# KiCad board motherboard-101.kicad_pcb (continued)
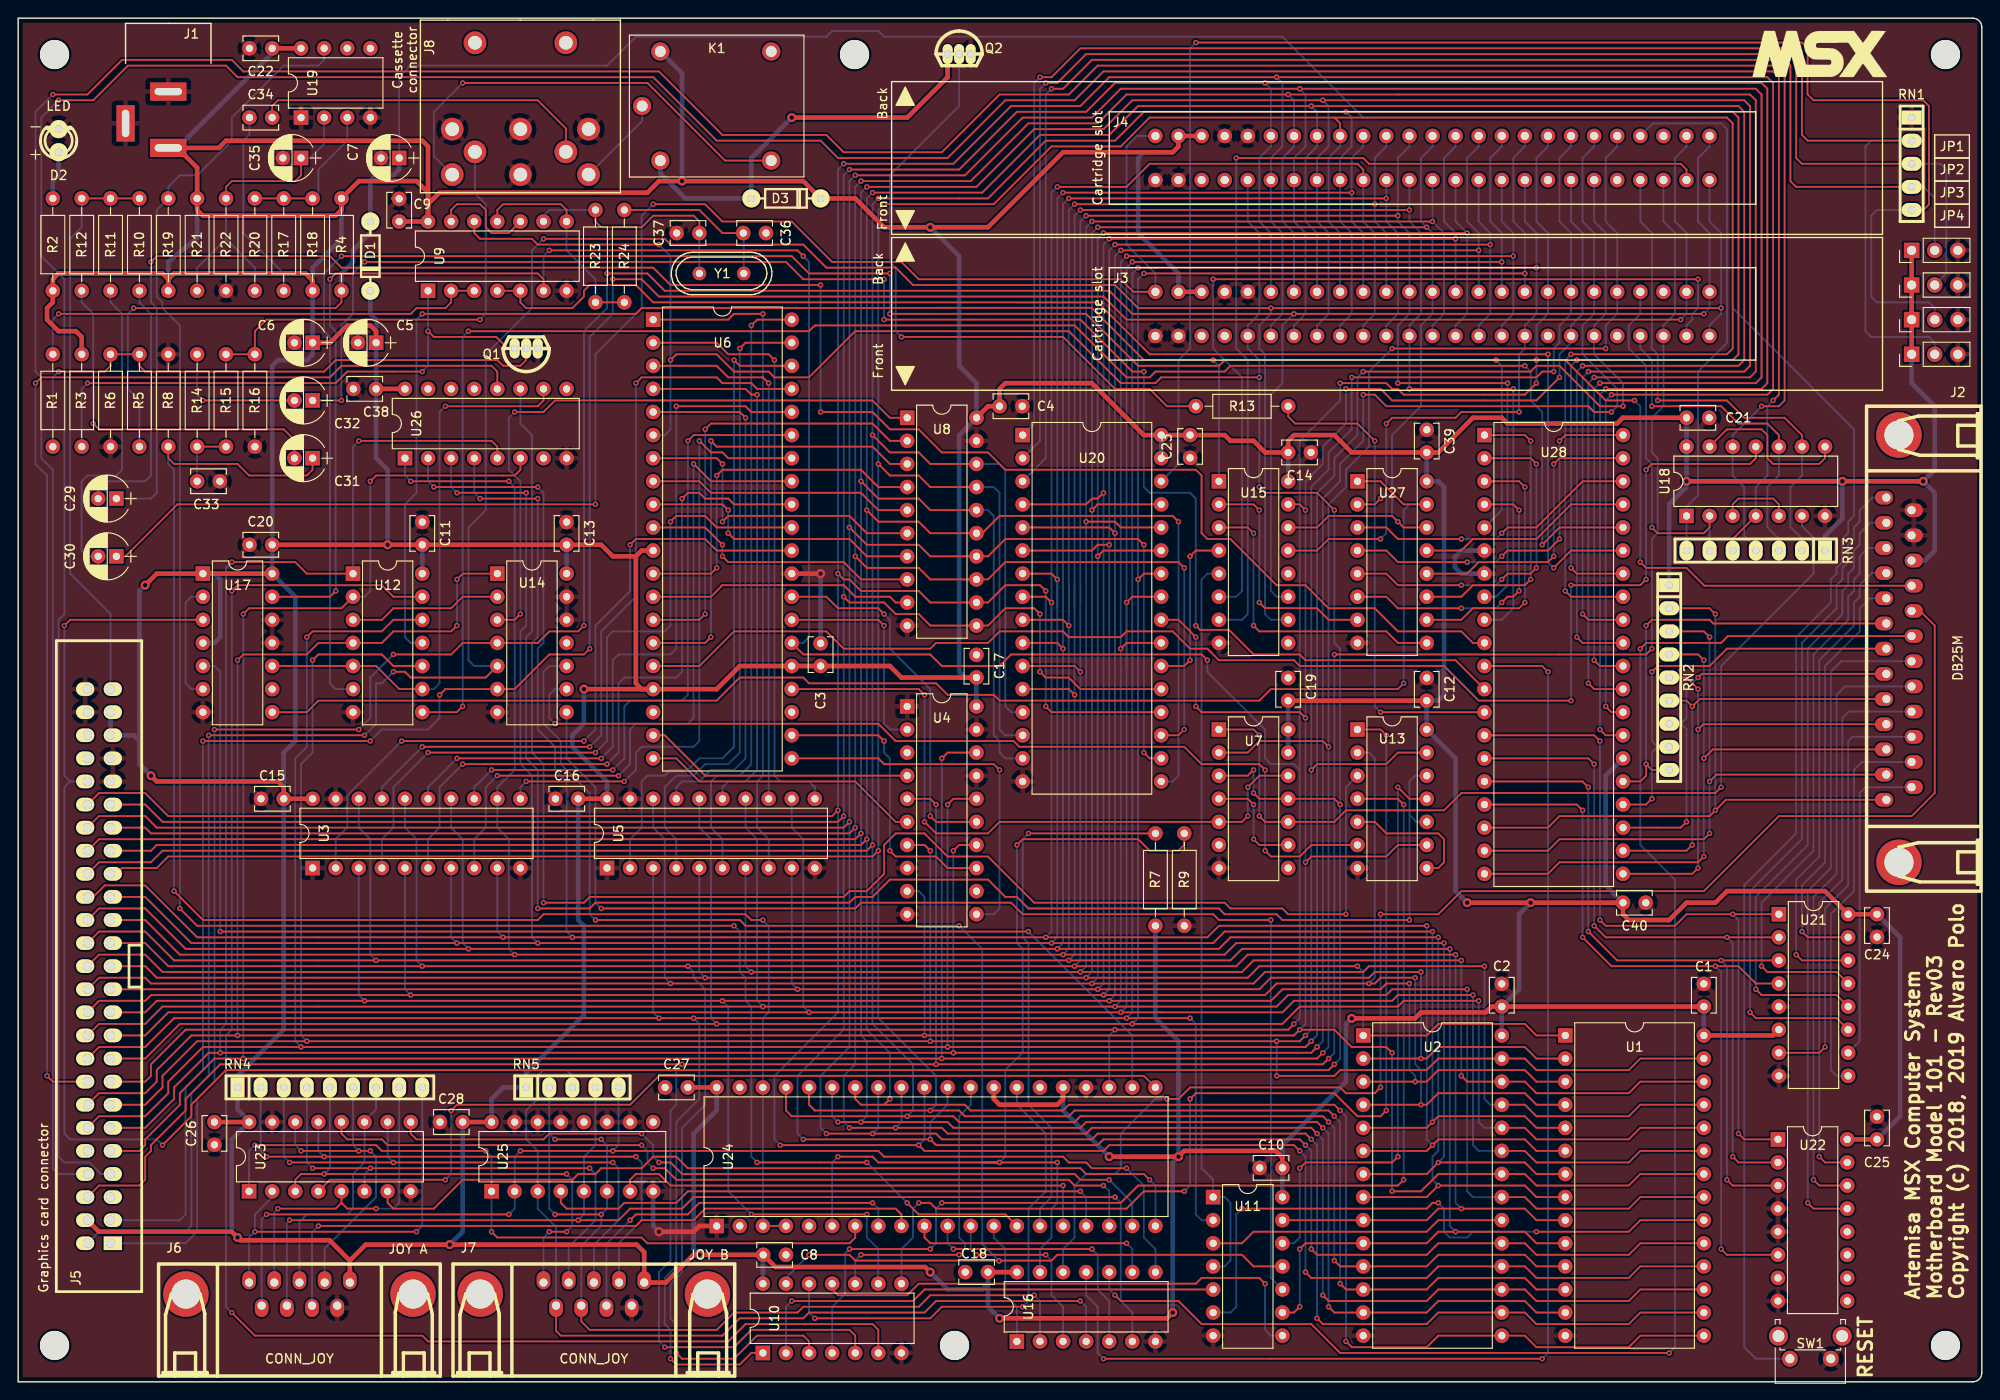
[diagram p0: board, top side]
## Nets (continued)
Net-(J8-Pad6): J8.6 K1.4
Net-(J8-Pad7): J8.7 K1.3
Net-(JP1-Pad2): JP1.2 RN1.4 U20.3
Net-(JP2-Pad2): JP2.2 RN1.3 U20.2
Net-(JP3-Pad2): JP3.2 RN1.5 U20.30
Net-(JP4-Pad2): JP4.2 RN1.2 U20.1
Net-(K1-Pad5): K1.5
Net-(Q1-Pad1): Q1.1 R3.2 U9.1
Net-(Q1-Pad2): Q1.2 R1.2 R5.1 R6.1
Net-(Q2-Pad2): Q2.2 R13.1
Net-(R1-Pad1): R1.1 U9.2 U9.3
Net-(R7-Pad2): R7.2 U24.15
Net-(R17-Pad2): R17.2 R18.1 R20.1 U19.3
Net-(R23-Pad2): R23.2 R24.2 U9.8 U9.11
Net-(U4-Pad2): U4.2 U6.27
Net-(U4-Pad3): U4.3
Net-(U4-Pad4): U4.4 U6.19
Net-(U4-Pad6): U4.6 U6.20
Net-(U4-Pad11): U4.11 U6.21
Net-(U4-Pad12): U4.12
Net-(U4-Pad13): U4.13 U6.22
Net-(U4-Pad15): U4.15 U6.28
Net-(U6-Pad18): U6.18
Net-(U6-Pad23): U6.23
Net-(U6-Pad24): U6.24 U7.5 U7.12
Net-(U7-Pad4): U7.4 U7.9
Net-(U7-Pad6): U7.6
Net-(U7-Pad8): U7.8
Net-(U9-Pad10): U9.10 U9.13
Net-(U10-Pad2): U10.2 U11.5
Net-(U10-Pad4): U10.4 U13.4
Net-(U10-Pad6): U10.6 U12.13
Net-(U10-Pad8): U10.8 U13.1
Net-(U10-Pad11): U10.11 U11.8
Net-(U11-Pad10): U11.10 U14.8
Net-(U12-Pad3): U12.3 U14.2
Net-(U13-Pad3): U13.3 U26.4
Net-(U13-Pad6): U13.6 U14.9
Net-(U14-Pad11): U14.11
Net-(U15-Pad2): U15.2 U27.7
Net-(U15-Pad3): U15.3 U27.9
Net-(U15-Pad9): U15.9
Net-(U15-Pad12): U15.12
Net-(U17-Pad2): U17.2 U17.6
Net-(U17-Pad9): U17.9
Net-(U18-Pad3): U18.3 U18.5
Net-(U18-Pad13): U18.8 U18.13
Net-(U19-Pad5): U19.5
Net-(U19-Pad6): U19.6
Net-(U22-Pad7): U22.7
Net-(U22-Pad9): U22.9
Net-(U22-Pad10): U22.10
Net-(U22-Pad11): U22.11
Net-(U22-Pad12): U22.12
Net-(U24-Pad2): U24.2
Net-(U24-Pad5): U24.5
Net-(U24-Pad26): U24.26
Net-(U24-Pad39): U24.39
Net-(U25-Pad9): U25.9
Net-(U25-Pad12): U25.12
Net-(U26-Pad7): U26.7
Net-(U26-Pad9): U26.9
Net-(U26-Pad13): U26.13
Net-(U26-Pad14): U26.14
Net-(U26-Pad15): U26.15

## Via types
v1: diameter 0.6, hole 0.3, Top to Bottom, 621 vias
v2: diameter 1, hole 0.5, Top to Bottom, 23 vias

## Routing (per net, layer and track width the routed paths; a pad name or vN(x,y) marks a point on that pad's centre or on a via; arc(x,y) is an arc through that point)
GND: length 31.3
  Top w0.508: U6.29 v2(88.27,88.9) ; v2(70.48,16.51) 74.3,16.51 74.93,17.14 U24.1 ; 41.28,130.18 41.91,129.54
  Bottom w0.508: U28.6 158.75,91.44 158.04,90.73 158.04,89.61 158.75,88.9 U28.7 ; v2(88.27,88.9) C3.2 ; U25.8 69.85,17.14 v2(70.48,16.51)
/ADDR0: length 432.3
  Top w0.203: J5.28 8.89,49.53 13.97,49.53 17.14,46.35 v1(39.37,46.35) v1(115.57,46.35) 133.35,46.35 134.62,47.62 v1(157.48,47.62) ; v1(164.46,109.22) v1(153.04,109.22) ; v1(116.2,75.56) 115.57,76.2 U20.12 ; v1(153.04,128.91) v1(116.84,128.91) ; v1(140.97,8.25) 140.33,7.62 U11.9 ; v1(140.97,14.6) 141.61,15.24 U2.10 154.94,15.24 156.21,16.51 v1(158.12,16.51) 165.74,16.51 167,15.24 U1.10
  Bottom w0.203: v1(164.46,109.22) 164.46,85.09 163.19,83.82 U28.9 ; 116.2,85.09 116.2,128.27 v1(116.84,128.91) ; v1(140.97,8.25) v1(140.97,14.6) ; v1(115.57,46.35) 116.2,46.99 v1(116.2,75.56) 116.2,87.63 ; v1(39.37,46.35) 38.73,46.99 38.73,59.69 37.47,60.96 U3.18 ; v1(157.48,47.62) 157.48,17.14 v1(158.12,16.51) ; v1(153.04,109.22) J3.28 153.04,116.2 154.31,117.47 154.31,126.36 153.04,127.63 J4.28
/ADDR1: length 483.7
  Top w0.203: v1(72.39,3.17) 73.02,2.54 78.74,2.54 81.28,5.08 86.36,5.08 86.99,4.44 U10.3 ; v1(117.48,128.27) v1(151.76,128.27) ; v1(116.84,78.1) 116.2,78.74 U20.11 ; v1(151.76,109.85) v1(163.83,109.85) ; J5.27 13.97,48.26 16.51,45.72 v1(44.45,45.72) v1(73.66,45.72) v1(116.2,45.72) 133.99,45.72 135.25,46.99 v1(158.12,46.99) ; U1.9 167,17.78 165.74,19.05 156.21,19.05 154.94,17.78 U2.9 U11.13
  Bottom w0.203: v1(44.45,45.72) 43.81,46.35 43.81,59.69 42.55,60.96 U3.16 ; v1(158.75,19.05) 158.12,19.69 v1(158.12,46.99) ; U28.8 162.56,86.36 163.83,87.63 v1(163.83,109.85) ; v1(73.66,45.72) 74.3,45.09 74.3,44.45 75.57,43.18 75.57,30.48 73.02,27.94 73.02,12.06 71.76,10.79 71.76,6.98 72.39,6.35 v1(72.39,3.17) ; v1(117.48,128.27) 116.84,127.63 116.84,85.72 ; J4.27 153.04,135.89 151.76,134.62 v1(151.76,128.27) 151.76,127.63 153.04,126.36 J3.27 153.04,117.47 151.76,116.2 v1(151.76,109.85) ; v1(116.2,45.72) 116.84,46.35 v1(116.84,78.1) 116.84,87.63
/ADDR14: length 371.4
  Top w0.203: U27.14 152.4,93.98 v1(151.76,94.61) 151.13,95.25 144.14,95.25 142.88,93.98 U15.14 ; U1.1 167,38.1 165.74,39.37 156.21,39.37 154.94,38.1 U2.1 ; v1(147.32,45.72) 136.52,45.72 135.25,44.45 v1(117.48,44.45) v1(75.57,44.45) 15.24,44.45 13.97,45.72 J5.25 ; v1(118.74,127) v1(154.94,127) ; U20.29 118.74,96.52 v1(118.11,95.88)
  Bottom w0.203: v1(118.74,127) 118.11,126.36 118.11,99.06 ; v1(147.32,45.72) 147.95,45.09 U2.1 ; v1(117.48,44.45) 118.11,45.09 v1(118.11,95.88) 118.11,99.69 ; U5.5 74.93,45.09 v1(75.57,44.45) ; v1(151.76,94.61) 151.13,95.25 151.13,104.14 154.31,107.31 154.31,116.2 155.57,117.47 J3.25 155.57,126.36 v1(154.94,127) 154.31,127.63 154.31,134.62 155.57,135.89 J4.25
/ADDR15: length 410.6
  Top w0.203: U27.2 149.23,96.52 v1(149.86,97.16) ; v1(123.19,122.55) v1(167,122.55) ; v1(150.5,105.41) 151.13,106.04 158.12,106.04 158.75,106.68 v1(165.1,106.68) ; v1(149.86,92.71) 144.14,92.71 142.88,91.44 U15.13 ; U10.1 80.64,3.17 79.37,1.91 72.39,1.91 v1(71.76,2.54) ; J5.18 8.89,36.83 13.97,36.83 17.14,40 v1(70.48,40) v1(121.92,40) v1(128.9,40)
  Bottom w0.203: v1(150.5,105.41) 150.5,97.79 ; v1(74.3,40) 74.93,39.37 74.93,31.11 72.39,28.57 72.39,12.7 71.12,11.43 71.12,6.35 71.76,5.72 v1(71.76,2.54) ; v1(128.9,40) 129.54,39.37 129.54,18.41 130.18,17.78 U11.2 ; v1(149.86,97.16) 150.5,97.79 ; 150.5,97.79 150.5,93.34 v1(149.86,92.71) ; v1(70.48,40) 69.85,40.64 U5.3 ; v1(123.19,122.55) 122.55,121.92 122.55,40.64 v1(121.92,40) ; 165.1,106.76 165.1,113.03 165.74,113.66 J3.18 165.74,116.2 167,117.47 v1(167,122.55) 167,126.36 165.74,127.63 J4.18
/AUDIO: length 62.7
  Top w0.203: R12.2 R11.2 R10.2
  Bottom w0.203: J5.49 10.16,84.45 5.71,88.9 5.71,125.73 6.98,127 R12.2
/BEEP: length 206.8
  Top w0.203: v1(14.61,123.19) 15.24,123.82 34.29,123.82 35.56,122.55 69.85,122.55 71.76,120.65 v1(88.27,120.65) ; v1(88.27,106.68) 93.98,106.68 95.89,104.77 99.06,104.77 101.6,102.23 106.68,102.23 108.58,100.33 129.54,100.33 130.18,99.69 130.18,93.34 130.81,92.71 133.35,92.71 138.43,87.63 141.61,87.63 144.14,85.09 149.23,85.09 151.76,82.55 158.75,82.55 160.02,81.28 U28.10
  Bottom w0.203: v1(88.27,120.65) v1(88.27,106.68) ; v1(14.61,123.19) 14.61,118.74 15.24,118.11 15.24,97.79 14.61,97.16 C29.1
/CASIN: length 226.9
  Top w0.203: v1(17.78,52.07) 19.69,50.16 v1(78.74,50.16) ; v1(81.28,24.13) v1(93.35,24.13) ; U24.14 108.58,18.41 99.06,18.41 v1(97.79,19.69)
  Bottom w0.203: v1(81.28,24.13) 80.64,24.76 80.64,41.28 80.01,41.91 80.01,44.45 79.37,45.09 79.37,49.53 v1(78.74,50.16) ; v1(97.79,19.69) v1(93.35,24.13) ; 33.66,146.69 33.66,145.41 33.02,144.78 29.21,144.78 23.5,139.06 23.5,136.52 19.69,132.71 17.78,132.71 16.51,131.44 R19.1 15.24,128.91 15.24,119.38 15.88,118.74 15.88,118.11 17.78,116.2 v1(17.78,52.07)
/CASOUT: length 180.3
  Top w0.203: v1(95.25,116.84) 116.84,116.84 122.55,111.12 v1(123.83,111.12) ; v1(38.1,123.19) 84.45,123.19 86.36,121.28 v1(95.25,121.28) ; v1(35.56,107.95) C32.1 ; v1(129.54,83.19) 130.01,82.72 133.18,82.72 135.89,80.01 140.97,80.01 141.61,79.38 158.12,79.38 U28.12
  Bottom w0.203: v1(123.83,111.12) 123.83,98.42 124.46,97.79 128.9,97.79 129.54,97.16 v1(129.54,83.19) ; v1(95.25,116.84) v1(95.25,121.28) ; v1(38.1,123.19) 36.83,121.92 36.83,117.47 35.56,116.2 v1(35.56,107.95)
/CLK: length 457.2
  Top w0.203: U7.3 135.25,66.67 v1(135.89,67.31) ; v1(70.48,125.09) 57.15,125.09 56.52,125.73 50.8,125.73 50.17,126.36 U9.12 ; v1(71.76,112.39) 72.39,113.03 76.83,113.03 78.74,111.12 82.55,111.12 83.18,110.49 86.99,110.49 92.08,115.57 115.57,115.57 121.29,109.85 125.1,109.85 125.73,110.49 v1(136.52,110.49) ; v1(135.89,64.77) 136.52,64.13 U7.11 144.78,64.13 v1(145.42,63.5) ; v1(144.78,34.92) 144.14,34.29 22.86,34.29 19.05,30.48 19.05,29.21 v1(15.88,26.03) ; v1(5.08,83.19) 5.71,83.82 U17.3 ; v1(136.52,98.42) 137.16,97.79 142.88,97.79 v1(144.78,95.88)
  Bottom w0.203: v1(135.89,64.77) v1(135.89,67.31) ; J5.42 5.71,66.04 ; 5.71,66.04 5.08,66.67 v1(5.08,83.19) ; 5.71,66.04 5.08,65.41 5.08,27.31 5.71,26.67 15.24,26.67 v1(15.88,26.03) ; J4.42 135.25,127.63 136.52,126.36 136.52,117.47 135.25,116.2 J3.42 135.25,113.66 136.52,112.39 v1(136.52,110.49) v1(136.52,98.42) ; v1(144.78,34.92) 145.42,35.56 v1(145.42,63.5) 145.42,80.64 144.78,81.28 v1(144.78,95.88) ; U6.6 71.12,104.14 71.76,104.77 v1(71.76,112.39) 71.76,123.82 v1(70.48,125.09)
/CPU/A0: length 79.3
  Top w0.203: v1(42.18,70.48) v1(62.23,70.48) ; v1(67.31,92.07) 67.94,92.71 75.57,92.71 76.83,91.44 U6.30
  Bottom w0.203: 34.92,56.51 34.92,59.69 36.19,60.96 36.19,64.5 v1(42.18,70.48) ; v1(67.31,92.07) 67.31,87 63.5,83.19 63.5,71.75 v1(62.23,70.48)
/CPU/A1: length 79.5
  Top w0.203: v1(45.08,69.22) v1(63.5,69.22) ; U6.31 76.83,93.98 75.57,95.25 72.39,95.25 v1(71.76,94.61)
  Bottom w0.203: v1(45.08,69.22) 41.28,65.41 41.28,60.96 40,59.69 40,56.51 ; v1(71.76,94.61) 71.76,83.19 71.12,82.55 65.41,82.55 64.77,81.91 64.77,70.48 v1(63.5,69.22)
/CPU/A2: length 77.7
  Top w0.203: v1(73.02,97.16) 73.66,97.79 74.93,97.79 75.57,97.16 78.11,97.16 78.74,96.52 U6.32 ; v1(48.89,67.94) v1(64.77,67.94)
  Bottom w0.203: 45.08,56.51 45.08,59.69 46.36,60.96 46.36,65.41 v1(48.89,67.94) ; v1(73.02,97.16) 73.02,78.1 72.39,77.47 66.67,77.47 66.04,76.84 66.04,69.22 v1(64.77,67.94)
/CPU/A3: length 77.2
  Top w0.203: v1(74.3,100.96) 76.2,99.06 U6.33 ; v1(52.7,66.67) v1(66.04,66.67)
  Bottom w0.203: v1(66.04,66.67) 67.31,67.94 67.31,71.75 67.94,72.39 73.66,72.39 74.3,73.03 v1(74.3,100.96) ; U3.8 50.17,59.69 51.44,60.96 51.44,65.41 v1(52.7,66.67)
/CPU/A4: length 68.1
  Top w0.203: v1(55.88,66.04) v1(66.67,66.04) ; v1(74.93,103.5) 76.2,102.23 77.47,102.23 78.11,101.6 U6.34
  Bottom w0.203: v1(74.93,103.5) 74.93,70.48 74.3,69.85 68.58,69.85 67.94,69.22 67.94,67.31 v1(66.67,66.04) ; v1(55.88,66.04) 55.25,65.41 U3.11
/CPU/A5: length 72
  Top w0.203: v1(73.66,103.5) 74.3,104.14 U6.35 ; v1(52.07,67.31) v1(65.41,67.31)
  Bottom w0.203: U3.13 50.17,65.41 v1(52.07,67.31) ; v1(65.41,67.31) 66.67,68.58 66.67,74.29 67.31,74.93 73.02,74.93 73.66,75.56 v1(73.66,103.5)
/CPU/A6: length 80.1
  Top w0.203: U6.36 80.64,106.68 80.01,107.31 v1(72.39,107.31) ; v1(48.26,68.58) v1(64.14,68.58)
  Bottom w0.203: v1(64.14,68.58) 65.41,69.85 65.41,79.38 66.04,80.01 71.76,80.01 72.39,80.64 v1(72.39,107.31) ; v1(48.26,68.58) 45.08,65.41 45.08,64.13
/CPU/A7: length 86
  Top w0.203: U6.37 81.28,109.22 80.64,109.85 77.47,109.85 76.83,110.49 68.58,110.49 v1(67.94,109.85) ; v1(44.45,69.85) v1(62.86,69.85)
  Bottom w0.203: v1(44.45,69.85) 40,65.41 40,64.13 ; v1(67.94,109.85) 67.94,86.36 64.14,82.55 64.14,71.12 v1(62.86,69.85)
/CPU/A8: length 70.9
  Top w0.203: v1(78.74,112.39) 79.37,111.76 U6.38
  Bottom w0.203: U5.2 67.31,59.69 68.58,60.96 68.58,66.04 69.22,66.67 71.12,66.67 71.76,67.31 73.66,67.31 74.93,68.58 77.47,68.58 78.74,69.85 v1(78.74,112.39)
/CPU/A9: length 69.7
  Top w0.203: v1(79.37,113.66) 80.01,114.3 U6.39
  Bottom w0.203: U5.4 72.39,59.69 71.12,60.96 71.12,65.41 72.39,66.67 74.3,66.67 75.57,67.94 78.11,67.94 79.37,69.22 v1(79.37,113.66)
/CPU/A10: length 68.3
  Top w0.203: U6.40 81.28,116.84 v1(80.64,116.2)
  Bottom w0.203: v1(80.64,116.2) 80.64,67.94 79.37,66.67 76.83,66.67 76.2,66.04 76.2,60.96 77.47,59.69 U5.6
/CPU/A11: length 74.1
  Top w0.203: U6.1 78.11,116.84 78.74,117.47 v1(81.92,117.47)
  Bottom w0.203: U5.8 82.55,59.69 81.28,60.96 81.28,66.04 81.92,66.67 v1(81.92,117.47)
/CPU/A12: length 66.1
  Top w0.203: v1(83.18,112.39) 82.55,113.03 78.11,113.03 76.83,114.3 U6.2
  Bottom w0.203: U5.11 87.63,65.41 86.99,66.04 83.82,66.04 83.18,66.67 v1(83.18,112.39)
/CPU/A13: length 59.2
  Top w0.203: U6.3 76.83,111.76 78.11,110.49 81.92,110.49 v1(82.55,109.85)
  Bottom w0.203: U5.13 v1(82.55,109.85)
/CPU/A14: length 58.8
  Top w0.203: U6.4 80.01,109.22 80.64,108.58 v1(81.28,108.58)
  Bottom w0.203: U5.15 77.47,65.41 78.11,66.04 80.01,66.04 81.28,67.31 v1(81.28,108.58)
/CPU/A15: length 58.1
  Top w0.203: v1(80.01,106.04) 79.37,106.68 U6.5
  Bottom w0.203: U5.17 72.39,65.41 73.02,66.04 74.93,66.04 76.2,67.31 78.74,67.31 80.01,68.58 v1(80.01,106.04)
/CPU/ADDR2: length 360.8
  Top w0.203: U2.8 154.94,20.32 v1(156.21,21.59) 165.74,21.59 167,20.32 U1.8 ; U20.10 114.3,81.28 v1(114.93,80.64) ; J5.30 8.89,52.07 13.97,52.07 18.42,47.62 v1(49.53,47.62) v1(114.3,47.62) 132.08,47.62 133.35,48.89 v1(156.21,48.89) ; v1(115.57,130.18) v1(150.5,130.18)
  Bottom w0.203: v1(49.53,47.62) 48.89,48.26 48.89,59.69 47.62,60.96 U3.14 ; v1(115.57,130.18) 114.93,129.54 v1(114.93,80.64) 114.93,48.26 v1(114.3,47.62) ; J4.30 v1(150.5,130.18) 150.5,127.63 151.76,126.36 151.76,117.47 150.5,116.2 J3.30 ; v1(156.21,21.59) 155.57,22.22 155.57,24.76 156.21,25.4 v1(156.21,48.89)
/CPU/ADDR3: length 406.8
  Top w0.203: v1(115.57,83.19) 114.93,83.82 U20.9 ; v1(149.23,129.54) v1(116.2,129.54) ; J5.29 13.97,50.8 17.78,46.99 v1(114.93,46.99) 132.71,46.99 133.99,48.26 v1(156.85,48.26) ; U2.7 154.94,22.86 v1(156.21,24.13) 165.74,24.13 167,22.86 U1.7 ; v1(53.97,99.06) v1(43.18,99.06)
  Bottom w0.203: v1(116.2,129.54) 115.57,128.91 115.57,84.45 ; v1(156.85,48.26) 156.85,24.76 v1(156.21,24.13) ; 115.57,87.63 v1(115.57,83.19) 115.57,47.62 v1(114.93,46.99) ; J4.29 150.5,135.89 149.23,134.62 v1(149.23,129.54) 149.23,127.63 150.5,126.36 J3.29 ; U26.1 42.55,99.69 v1(43.18,99.06) ; v1(53.97,99.06) 54.61,98.42 54.61,67.31 52.7,65.41 U3.12 52.7,60.96 53.97,59.69 53.97,47.62 v1(54.61,46.99)
/CPU/ADDR4: length 416.8
  Top w0.203: v1(45.72,98.42) v1(57.15,98.42) ; J4.32 147.95,133.35 147.32,133.99 124.46,133.99 121.92,131.44 v1(114.3,131.44) ; v1(113.67,85.72) 113.03,86.36 U20.8 ; U1.6 167,25.4 165.74,26.67 156.21,26.67 154.94,25.4 U2.6 ; J5.32 8.25,53.34 9.53,54.61 13.97,54.61 19.69,48.89 v1(53.34,48.89) v1(60.96,48.89) v1(113.03,48.89) 130.81,48.89 132.08,50.16 v1(154.94,50.16)
  Bottom w0.203: v1(155.57,26.03) 154.94,26.67 v1(154.94,50.16) ; J3.32 147.95,116.2 149.23,117.47 149.23,126.36 147.95,127.63 J4.32 ; v1(60.96,48.89) 60.33,49.53 60.33,66.04 59.05,67.31 59.05,69.85 57.15,71.75 57.15,80.64 57.78,81.28 57.78,97.79 v1(57.15,98.42) ; v1(114.3,131.44) 113.67,130.81 113.67,82.55 ; 45.08,101.6 45.08,99.06 v1(45.72,98.42) ; v1(113.67,85.72) 113.67,49.53 v1(113.03,48.89) ; U3.9 52.7,49.53 v1(53.34,48.89)
/CPU/ADDR5: length 403.3
  Top w0.203: v1(55.88,97.79) v1(48.26,97.79) ; U1.5 167,27.94 165.74,29.21 156.21,29.21 v1(155.57,28.57) 154.94,27.94 U2.5 ; v1(155.57,49.53) 132.71,49.53 131.44,48.26 v1(113.67,48.26) v1(57.15,48.26) v1(48.26,48.26) 19.05,48.26 13.97,53.34 J5.31 ; v1(114.93,130.81) v1(146.69,130.81) ; U20.7 113.67,88.9 v1(114.3,88.26)
  Bottom w0.203: v1(114.3,88.26) 114.3,48.89 v1(113.67,48.26) ; 114.3,85.09 114.3,130.18 v1(114.93,130.81) ; J3.31 147.95,126.36 146.69,127.63 146.69,134.62 147.95,135.89 J4.31 ; v1(48.26,48.26) 47.62,48.89 U3.7 ; U26.3 47.62,98.42 v1(48.26,97.79) ; v1(57.15,48.26) 56.52,48.89 56.52,66.67 55.25,67.94 55.25,82.55 55.88,83.19 v1(55.88,97.79) ; v1(155.57,49.53) v1(155.57,28.57)
/CPU/ADDR6: length 378.9
  Top w0.203: J5.22 8.89,41.91 13.97,41.91 14.61,42.54 v1(43.18,42.54) v1(119.38,42.54) 137.16,42.54 138.43,43.81 v1(148.59,43.81) 149.23,43.81 149.86,44.45 v1(153.67,44.45) ; v1(120.02,92.07) 118.74,92.07 118.11,91.44 U20.6 ; v1(120.65,125.09) v1(161.93,125.09) ; U2.4 v1(154.31,30.48) 154.94,30.48 156.21,31.75 165.74,31.75 167,30.48 U1.4
  Bottom w0.203: U3.5 42.55,43.18 v1(43.18,42.54) ; J3.22 160.65,116.2 161.93,117.47 v1(161.93,125.09) 161.93,126.36 160.65,127.63 J4.22 ; v1(153.67,44.45) 153.67,34.92 154.31,34.29 v1(154.31,30.48) ; v1(120.65,125.09) 120.02,124.46 v1(120.02,92.07) 120.02,43.18 v1(119.38,42.54) ; U13.2 148.59,69.22 149.23,68.58 149.23,44.45 v1(148.59,43.81)
/CPU/ADDR7: length 390.1
  Top w0.203: v1(121.29,124.46) v1(160.65,124.46) ; U20.5 120.02,93.98 v1(120.65,93.34) ; v1(153.04,43.81) 150.5,43.81 149.86,43.18 139.06,43.18 137.8,41.91 v1(120.02,41.91) v1(77.47,41.91) v1(38.1,41.91) 15.24,41.91 13.97,40.64 J5.21 ; U1.3 167,33.02 165.74,34.29 156.21,34.29 154.94,33.02 v1(153.67,33.02) U2.3 ; v1(80.64,18.41) v1(93.35,18.41)
  Bottom w0.203: U3.3 37.47,42.54 v1(38.1,41.91) ; J3.21 v1(160.65,124.46) 160.65,126.36 159.38,127.63 159.38,134.62 160.65,135.89 J4.21 ; U10.9 94.61,14.6 93.35,15.88 v1(93.35,18.41) ; v1(77.47,41.91) 78.11,41.28 78.11,20.95 v1(80.64,18.41) ; v1(120.02,41.91) 120.65,42.54 v1(120.65,93.34) 120.65,123.82 v1(121.29,124.46) ; v1(153.67,33.02) 153.67,33.66 153.04,34.29 v1(153.04,43.81)
/CPU/ADDR8: length 364.9
  Top w0.203: U2.25 165.74,30.48 167,29.21 177.17,29.21 178.44,30.48 U1.25 ; v1(161.29,45.72) 148.59,45.72 147.95,45.09 137.16,45.09 135.89,43.81 v1(118.11,43.81) 14.61,43.81 13.97,44.45 8.89,44.45 J5.24 ; v1(118.74,90.81) 119.38,91.44 U20.27 ; v1(119.38,126.36) v1(159.38,126.36)
  Bottom w0.203: v1(119.38,126.36) 118.74,125.73 v1(118.74,90.81) 118.74,44.45 v1(118.11,43.81) ; v1(161.29,45.72) 161.29,31.11 161.93,30.48 U2.25 ; U5.18 69.85,60.96 71.12,59.69 71.12,44.45 v1(71.76,43.81) ; J3.24 158.12,116.2 159.38,117.47 v1(159.38,126.36) 158.12,127.63 J4.24
/CPU/ADDR9: length 372.3
  Top w0.203: U1.24 178.44,27.94 177.17,26.67 167,26.67 165.74,27.94 U2.24 ; v1(123.83,121.92) v1(165.74,121.92) ; v1(123.19,88.26) 123.83,88.9 U20.26 ; v1(160.65,41.91) 152.4,41.91 151.76,41.28 140.97,41.28 139.06,39.37 v1(122.55,39.37) v1(76.83,39.37) 17.78,39.37 13.97,35.56 J5.17
  Bottom w0.203: J3.17 165.74,126.36 164.46,127.63 164.46,134.62 165.74,135.89 J4.17 ; U5.16 74.93,60.96 76.2,59.69 76.2,40 v1(76.83,39.37) ; v1(122.55,39.37) 123.19,40 v1(123.19,88.26) 123.19,106.68 ; v1(123.83,121.92) 123.19,121.28 123.19,98.42 ; v1(160.65,41.91) 160.65,28.57 161.29,27.94 U2.24
/CPU/ADDR10: length 375.6
  Top w0.203: v1(121.92,123.82) v1(164.46,123.82) ; J5.20 8.89,39.37 13.97,39.37 15.88,41.28 v1(81.92,41.28) v1(120.65,41.28) 138.43,41.28 139.7,42.54 150.5,42.54 151.13,43.18 v1(159.38,43.18) ; U1.21 178.44,20.32 177.17,19.05 167,19.05 165.74,20.32 U2.21 ; U20.23 121.92,81.28 v1(121.29,80.64)
  Bottom w0.203: v1(120.65,41.28) 121.29,41.91 v1(121.29,80.64) 121.29,123.19 v1(121.92,123.82) ; J3.20 163.19,116.2 164.46,117.47 v1(164.46,123.82) 164.46,126.36 163.19,127.63 J4.20 ; U2.21 160.02,20.32 159.38,20.95 v1(159.38,43.18) ; v1(81.92,41.28) 81.28,41.91 81.28,59.69 80.01,60.96 U5.14
/CPU/ADDR11: length 372.2
  Top w0.203: v1(121.92,85.72) 122.55,86.36 U20.25 ; v1(160.02,42.54) 151.76,42.54 151.13,41.91 140.33,41.91 139.06,40.64 v1(121.29,40.64) 16.51,40.64 13.97,38.1 J5.19 ; v1(163.19,123.19) v1(122.55,123.19) ; U2.23 165.74,25.4 167,24.13 177.17,24.13 178.44,25.4 U1.23
  Bottom w0.203: 121.92,78.74 121.92,122.55 v1(122.55,123.19) ; v1(121.92,85.72) 121.92,41.28 v1(121.29,40.64) ; v1(160.02,42.54) 160.02,26.03 160.65,25.4 U2.23 ; v1(86.99,40.64) 86.36,41.28 86.36,59.69 85.09,60.96 U5.12 ; J3.19 163.19,126.36 161.93,127.63 161.93,134.62 163.19,135.89 J4.19
/CPU/ADDR12: length 340.1
  Top w0.203: U2.2 154.94,35.56 156.21,36.83 165.74,36.83 167,35.56 U1.2 ; J5.23 v1(85.73,43.18) v1(118.74,43.18) 136.52,43.18 137.8,44.45 148.59,44.45 149.23,45.09 v1(154.31,45.09) ; v1(119.38,97.79) 118.74,97.16 118.11,97.16 117.48,96.52 U20.4 ; v1(158.12,125.73) v1(120.02,125.73)
  Bottom w0.203: J3.23 158.12,126.36 156.85,127.63 156.85,134.62 158.12,135.89 J4.23 ; v1(154.31,35.56) v1(154.31,45.09) ; U5.9 85.09,43.81 v1(85.73,43.18) ; v1(120.02,125.73) 119.38,125.09 v1(119.38,97.79) 119.38,43.81 v1(118.74,43.18)
/CPU/ADDR13: length 353.9
  Top w0.203: v1(158.75,46.35) 135.89,46.35 134.62,45.09 v1(116.84,45.09) v1(80.64,45.09) 15.88,45.09 13.97,46.99 8.89,46.99 J5.26 ; U1.26 178.44,33.02 177.17,31.75 167,31.75 165.74,33.02 U2.26 159.38,33.02 v1(158.75,33.66) ; v1(118.11,127.63) v1(155.57,127.63) ; U20.28 121.29,93.98 120.65,94.61 v1(117.48,94.61)
  Bottom w0.203: J4.26 v1(155.57,127.63) 156.85,126.36 156.85,117.47 155.57,116.2 J3.26 ; v1(158.75,46.35) v1(158.75,33.66) ; v1(116.84,45.09) 117.48,45.72 v1(117.48,94.61) ; U5.7 80.01,45.72 v1(80.64,45.09) ; 117.48,93.34 117.48,127 v1(118.11,127.63)
/CPU/D0: length 49.6
  Top w0.203: v1(75.57,84.45) 74.93,83.82 U6.14 ; U8.2 95.89,103.5 93.98,105.41 76.2,105.41 v1(75.57,104.77)
  Bottom w0.203: v1(75.57,84.45) v1(75.57,104.77)
/CPU/D1: length 50.8
  Top w0.203: U8.3 95.89,100.96 93.98,102.87 76.83,102.87 v1(76.2,103.5) ; v1(76.2,81.91) 75.57,81.28 U6.15
  Bottom w0.203: v1(76.2,103.5) v1(76.2,81.91)
/CPU/D2: length 39.4
  Top w0.203: U6.12 76.2,88.9 v1(76.83,89.53) ; U8.4 94.61,98.42 92.71,100.33 77.47,100.33 v1(76.83,99.69)
  Bottom w0.203: v1(76.83,99.69) v1(76.83,89.53)
/CPU/D3: length 29.3
  Top w0.203: U8.5 94.61,95.88 92.71,97.79 76.2,97.79 74.93,99.06 U6.8
/CPU/D4: length 35.6
  Top w0.203: U8.6 93.35,93.34 91.44,95.25 78.11,95.25 v1(77.47,94.61) ; v1(77.47,100.96) 76.83,101.6 U6.7
  Bottom w0.203: v1(77.47,94.61) v1(77.47,100.96)
/CPU/D5: length 31.8
  Top w0.203: U6.9 77.47,96.52 v1(78.11,95.88) ; U8.7 93.35,90.81 91.44,92.71 78.74,92.71 v1(78.11,93.34)
  Bottom w0.203: v1(78.11,95.88) v1(78.11,93.34)
/CPU/D6: length 31.1
  Top w0.203: v1(77.47,90.81) 78.11,90.17 90.8,90.17 92.71,88.26 U8.8 ; v1(77.47,92.07) 75.57,93.98 U6.10
  Bottom w0.203: v1(77.47,90.81) v1(77.47,92.07)
/CPU/D7: length 29.3
  Top w0.203: U6.13 76.2,86.36 77.47,87.63 90.8,87.63 92.08,86.36 95.89,86.36 96.52,85.72 U8.9
/CPU/DATA0: length 539.4
  Top w0.203: v1(171.45,112.39) 188.6,112.39 189.23,113.03 189.23,139.06 188.6,139.7 v1(146.05,139.7) 123.83,139.7 120.65,136.52 113.03,136.52 106.68,130.18 v1(94.61,130.18) ; U8.18 100.33,100.96 99.06,102.23 95.89,102.23 v1(93.98,104.14) ; v1(170.81,89.53) 171.45,88.9 U28.34 ; v1(93.98,59.06) 93.35,58.42 15.88,58.42 14.61,57.15 8.89,57.15 J5.34 ; U24.37 84.45,29.84 85.09,29.21 v1(97.79,29.21) 102.87,29.21 103.51,28.57 116.2,28.57 116.84,29.21 143.51,29.21 v1(144.14,28.57) ; U1.11 167,12.7 165.74,13.97 156.21,13.97 154.94,12.7 U2.11 145.42,12.7 v1(144.78,13.34)
  Bottom w0.203: v1(144.14,28.57) 144.78,27.94 v1(144.78,13.34) ; J3.34 145.42,116.2 146.69,117.47 146.69,126.36 145.42,127.63 J4.34 145.42,134.62 146.69,135.89 146.69,139.06 v1(146.05,139.7) ; U8.18 107.95,100.96 108.58,100.33 108.58,74.29 109.22,73.66 U20.13 ; v1(97.79,29.21) 98.42,29.84 98.42,34.92 93.98,39.37 v1(93.98,59.06) 93.98,129.54 v1(94.61,130.18) ; v1(170.81,89.53) 170.81,111.76 v1(171.45,112.39)
/CPU/DATA1: length 531.1
  Top w0.203: v1(144.78,29.21) 144.14,29.84 116.2,29.84 115.57,29.21 104.14,29.21 103.51,29.84 v1(100.33,29.84) 87.63,29.84 86.99,30.48 U24.36 ; v1(95.25,129.54) 107.32,129.54 113.67,135.89 121.29,135.89 124.46,139.06 144.78,139.06 ; 144.78,139.06 187.96,139.06 188.6,138.43 188.6,113.66 187.96,113.03 v1(170.81,113.03) ; 144.78,139.06 145.42,138.43 J4.33 ; v1(94.61,100.96) 95.89,99.69 99.06,99.69 100.33,98.42 U8.17 ; v1(145.42,10.79) 146.05,10.16 U2.12 154.94,10.16 156.21,11.43 165.74,11.43 167,10.16 U1.12 ; v1(94.61,58.42) 93.98,57.78 16.51,57.78 15.24,56.51 11.43,56.51 10.8,55.88 J5.33 ; U28.33 170.81,86.36 v1(170.18,87)
  Bottom w0.203: v1(170.81,113.03) 170.18,112.39 v1(170.18,87) ; v1(100.33,29.84) 100.96,30.48 100.96,33.66 94.61,40 v1(94.61,58.42) 94.61,128.91 v1(95.25,129.54) ; U8.17 107.32,98.42 107.95,97.79 107.95,71.75 108.58,71.12 U20.14 ; J3.33 145.42,126.36 144.14,127.63 144.14,134.62 145.42,135.89 J4.33 ; v1(144.78,29.21) 145.42,28.57 v1(145.42,10.79)
/CPU/DATA2: length 547.7
  Top w0.203: v1(172.72,111.12) 189.87,111.12 190.5,111.76 190.5,140.33 189.87,140.97 v1(143.51,140.97) 122.55,140.97 119.38,137.79 111.76,137.79 105.41,131.44 v1(93.35,131.44) ; v1(144.14,8.25) 144.78,7.62 U2.13 154.94,7.62 156.21,8.89 165.74,8.89 167,7.62 U1.13 ; v1(92.71,60.32) 92.08,59.69 8.89,59.69 J5.36 ; v1(172.08,84.45) 172.72,83.82 U28.32 ; v1(92.71,99.06) 94.61,97.16 99.06,97.16 100.33,95.88 U8.16 ; v1(143.51,27.94) 142.88,28.57 117.48,28.57 116.84,27.94 102.87,27.94 102.23,28.57 v1(92.71,28.57) v1(90.17,28.57)
  Bottom w0.203: v1(144.14,8.25) 144.14,27.31 v1(143.51,27.94) ; v1(92.71,28.57) 93.35,29.21 93.35,37.47 92.71,38.1 v1(92.71,60.32) 92.71,130.81 v1(93.35,131.44) ; U20.15 108.58,68.58 107.95,69.22 107.95,70.48 107.32,71.12 107.32,95.25 106.68,95.88 U8.16 ; v1(90.17,28.57) 89.54,29.21 89.54,32.38 ; v1(143.51,140.97) 144.14,140.33 144.14,135.89 142.88,134.62 J4.36 142.88,127.63 144.14,126.36 144.14,117.47 142.88,116.2 J3.36 ; v1(172.72,111.12) 172.08,110.49 v1(172.08,84.45)
/CPU/DATA3: length 577.3
  Top w0.203: v1(171.45,81.91) 172.08,81.28 U28.31 ; v1(93.35,95.88) 94.61,94.61 99.06,94.61 100.33,93.34 U8.15 106.05,93.34 107.95,95.25 127,95.25 v1(127.64,94.61) ; 95.25,30.48 92.71,30.48 92.08,31.11 U24.34 ; 95.25,30.48 104.14,30.48 104.77,29.84 114.93,29.84 115.57,30.48 144.78,30.48 v1(145.42,29.84) ; 95.25,30.48 v1(95.89,31.11) ; v1(146.05,4.44) 146.69,3.81 154.94,3.81 156.21,5.08 U2.15 165.74,5.08 167,3.81 177.17,3.81 178.44,5.08 U1.15 ; J5.35 14.61,58.42 15.24,59.06 92.71,59.06 v1(93.35,59.69) ; v1(172.08,111.76) 189.23,111.76 189.87,112.39 189.87,139.7 189.23,140.33 v1(142.24,140.33) 123.19,140.33 120.02,137.16 112.39,137.16 106.05,130.81 v1(93.98,130.81)
  Bottom w0.203: v1(142.24,140.33) 142.88,139.7 J4.35 142.88,135.89 141.61,134.62 141.61,127.63 142.88,126.36 J3.35 ; v1(93.98,130.81) 93.35,130.18 v1(93.35,59.69) 93.35,38.73 95.89,36.19 v1(95.89,31.11) ; v1(171.45,81.91) 171.45,111.12 v1(172.08,111.76) ; v1(146.05,4.44) 146.05,29.21 v1(145.42,29.84) ; U20.17 127,66.04 127.64,66.67 v1(127.64,94.61)
/CPU/DATA4: length 592.2
  Top w0.203: v1(123.83,69.22) 124.46,68.58 U20.18 ; v1(92.08,132.71) 104.14,132.71 110.49,139.06 118.11,139.06 121.29,142.24 v1(140.97,142.24) 191.13,142.24 191.77,141.6 191.77,110.49 191.13,109.85 v1(173.99,109.85) ; v1(91.44,93.98) 93.35,92.07 99.06,92.07 100.33,90.81 U8.14 106.68,90.81 108.58,92.71 123.19,92.71 v1(123.83,92.07) ; U1.16 178.44,7.62 177.17,6.35 167,6.35 165.74,7.62 U2.16 156.21,7.62 154.94,6.35 143.51,6.35 v1(142.88,6.98) ; v1(91.44,61.59) 90.8,60.96 15.24,60.96 13.97,62.23 8.89,62.23 J5.38 ; U28.30 173.99,78.74 v1(173.36,79.38) ; v1(142.24,26.67) 141.61,27.31 118.74,27.31 118.11,26.67 101.6,26.67 100.96,27.31 v1(93.98,27.31) v1(88.9,27.31)
  Bottom w0.203: v1(93.98,27.31) 94.61,27.94 U24.33 ; v1(140.97,142.24) 141.61,141.6 141.61,135.89 140.33,134.62 J4.38 140.33,127.63 141.61,126.36 141.61,117.47 140.33,116.2 J3.38 ; v1(88.9,27.31) 88.27,27.94 88.27,33.66 91.44,36.83 v1(91.44,61.59) 91.44,132.08 v1(92.08,132.71) ; v1(173.99,109.85) 173.36,109.22 v1(173.36,79.38) ; v1(142.88,6.98) 142.88,26.03 v1(142.24,26.67) ; v1(123.83,92.07) v1(123.83,69.22)
/CPU/DATA5: length 576.8
  Top w0.203: J5.37 13.97,60.96 14.61,60.32 91.44,60.32 v1(92.08,60.96) ; v1(173.36,110.49) 190.5,110.49 191.13,111.12 191.13,140.97 190.5,141.6 v1(139.7,141.6) 121.92,141.6 118.74,138.43 111.12,138.43 104.77,132.08 v1(92.71,132.08) ; v1(92.08,90.81) 93.35,89.53 99.06,89.53 100.33,88.26 U8.13 106.68,88.26 108.58,90.17 127.64,90.17 v1(128.27,89.53) ; U1.17 178.44,10.16 177.17,8.89 167,8.89 165.74,10.16 U2.17 156.21,10.16 154.94,8.89 144.14,8.89 v1(143.51,9.53) ; U20.19 127.64,71.12 v1(128.27,71.75) ; v1(142.88,27.31) 142.24,27.94 118.11,27.94 117.48,27.31 102.23,27.31 101.6,27.94 v1(96.52,27.94) v1(91.44,27.94) ; U28.29 173.36,76.2 v1(172.72,76.84)
  Bottom w0.203: U24.32 97.15,28.57 v1(96.52,27.94) ; v1(142.88,27.31) 143.51,26.67 v1(143.51,9.53) ; v1(173.36,110.49) 172.72,109.85 v1(172.72,76.84) ; v1(128.27,89.53) v1(128.27,71.75) ; v1(139.7,141.6) 140.33,140.97 J4.37 140.33,135.89 139.06,134.62 139.06,127.63 140.33,126.36 J3.37 ; v1(92.71,132.08) 92.08,131.44 v1(92.08,60.96) 92.08,34.92 90.8,33.66 90.8,28.57 v1(91.44,27.94)
/CPU/DATA6: length 595.6
  Top w0.203: v1(90.17,88.9) 90.8,88.26 91.44,88.26 92.71,87 99.06,87 100.33,85.72 U8.12 106.68,85.72 108.58,87.63 112.39,87.63 v1(113.03,87) ; U20.20 113.67,73.66 v1(113.03,74.29) ; U1.18 178.44,12.7 177.17,11.43 167,11.43 165.74,12.7 U2.18 156.21,12.7 154.94,11.43 142.24,11.43 v1(141.61,12.06) ; U28.28 175.26,73.66 v1(174.62,74.29) ; v1(90.17,62.86) 89.54,62.23 16.51,62.23 13.97,64.77 8.89,64.77 J5.40 ; v1(90.8,133.99) 102.87,133.99 109.22,140.33 116.84,140.33 120.02,143.51 v1(138.43,143.51) 192.4,143.51 193.04,142.88 193.04,109.22 192.4,108.58 v1(175.26,108.58) ; v1(140.97,25.4) 140.33,26.03 120.02,26.03 119.38,25.4 99.7,25.4 v1(99.06,26.03) v1(83.82,26.03)
  Bottom w0.203: v1(138.43,143.51) 139.06,142.88 139.06,135.89 137.8,134.62 J4.40 137.8,127.63 139.06,126.36 139.06,117.47 137.8,116.2 J3.40 ; v1(113.03,74.29) v1(113.03,87) ; v1(175.26,108.58) 174.62,107.95 v1(174.62,74.29) ; v1(99.06,26.03) 99.7,26.67 U24.31 ; v1(140.97,25.4) 141.61,24.76 v1(141.61,12.06) ; v1(83.82,26.03) 83.18,26.67 83.18,33.66 90.17,40.64 v1(90.17,62.86) v1(90.17,88.9) 90.17,133.35 v1(90.8,133.99)
/CPU/DATA7: length 575.1
  Top w0.203: v1(174.62,109.22) 191.77,109.22 192.4,109.85 192.4,142.24 191.77,142.88 v1(137.16,142.88) 120.65,142.88 117.48,139.7 109.86,139.7 103.51,133.35 v1(91.44,133.35) ; v1(112.39,84.45) 111.76,85.09 108.58,85.09 106.68,83.19 U8.11 100.33,83.19 99.06,84.45 96.52,84.45 95.25,85.72 91.44,85.72 v1(90.8,86.36) ; v1(142.24,14.6) 142.88,13.97 154.94,13.97 156.21,15.24 U2.19 165.74,15.24 167,13.97 177.17,13.97 178.44,15.24 U1.19 ; v1(141.61,26.03) 140.97,26.67 119.38,26.67 118.74,26.03 100.96,26.03 v1(100.33,26.67) v1(86.36,26.67) ; v1(112.39,78.1) 113.03,77.47 115.57,77.47 116.84,76.2 U20.21 ; v1(173.99,71.75) 174.62,71.12 U28.27 ; v1(90.8,62.23) 90.17,61.59 15.88,61.59 13.97,63.5 J5.39
  Bottom w0.203: v1(174.62,109.22) 173.99,108.58 v1(173.99,71.75) ; v1(91.44,133.35) 90.8,132.71 v1(90.8,62.23) 90.8,38.73 85.73,33.66 85.73,27.31 v1(86.36,26.67) ; v1(142.24,14.6) 142.24,25.4 v1(141.61,26.03) ; v1(137.16,142.88) 137.8,142.24 J4.39 137.8,135.89 136.52,134.62 136.52,127.63 137.8,126.36 J3.39 ; v1(112.39,78.1) v1(112.39,84.45) ; U24.30 102.23,30.48 100.33,28.57 v1(100.33,26.67)
/DATADIR: length 70.3
  Top w0.203: v1(55.25,84.45) 54.61,83.82 U14.3 ; v1(54.61,106.68) 57.78,106.68 59.05,107.95 93.98,107.95 95.89,106.04 U8.1
  Bottom w0.203: v1(54.61,106.68) 53.97,106.04 53.97,100.33 55.25,99.06 v1(55.25,84.45)
/DECODING/~{PPISL}: length 62.8
  Top w0.203: U26.10 57.78,107.95 57.15,107.31 v1(46.99,107.31) ; U17.10 U12.5 39.37,78.74 41.91,76.2 U12.9
  Bottom w0.203: U12.9 45.72,76.2 46.36,76.84 46.36,106.68 v1(46.99,107.31)
